# Altium PCB Inverter2beta.PcbDoc (part 4 of 5) (continued)
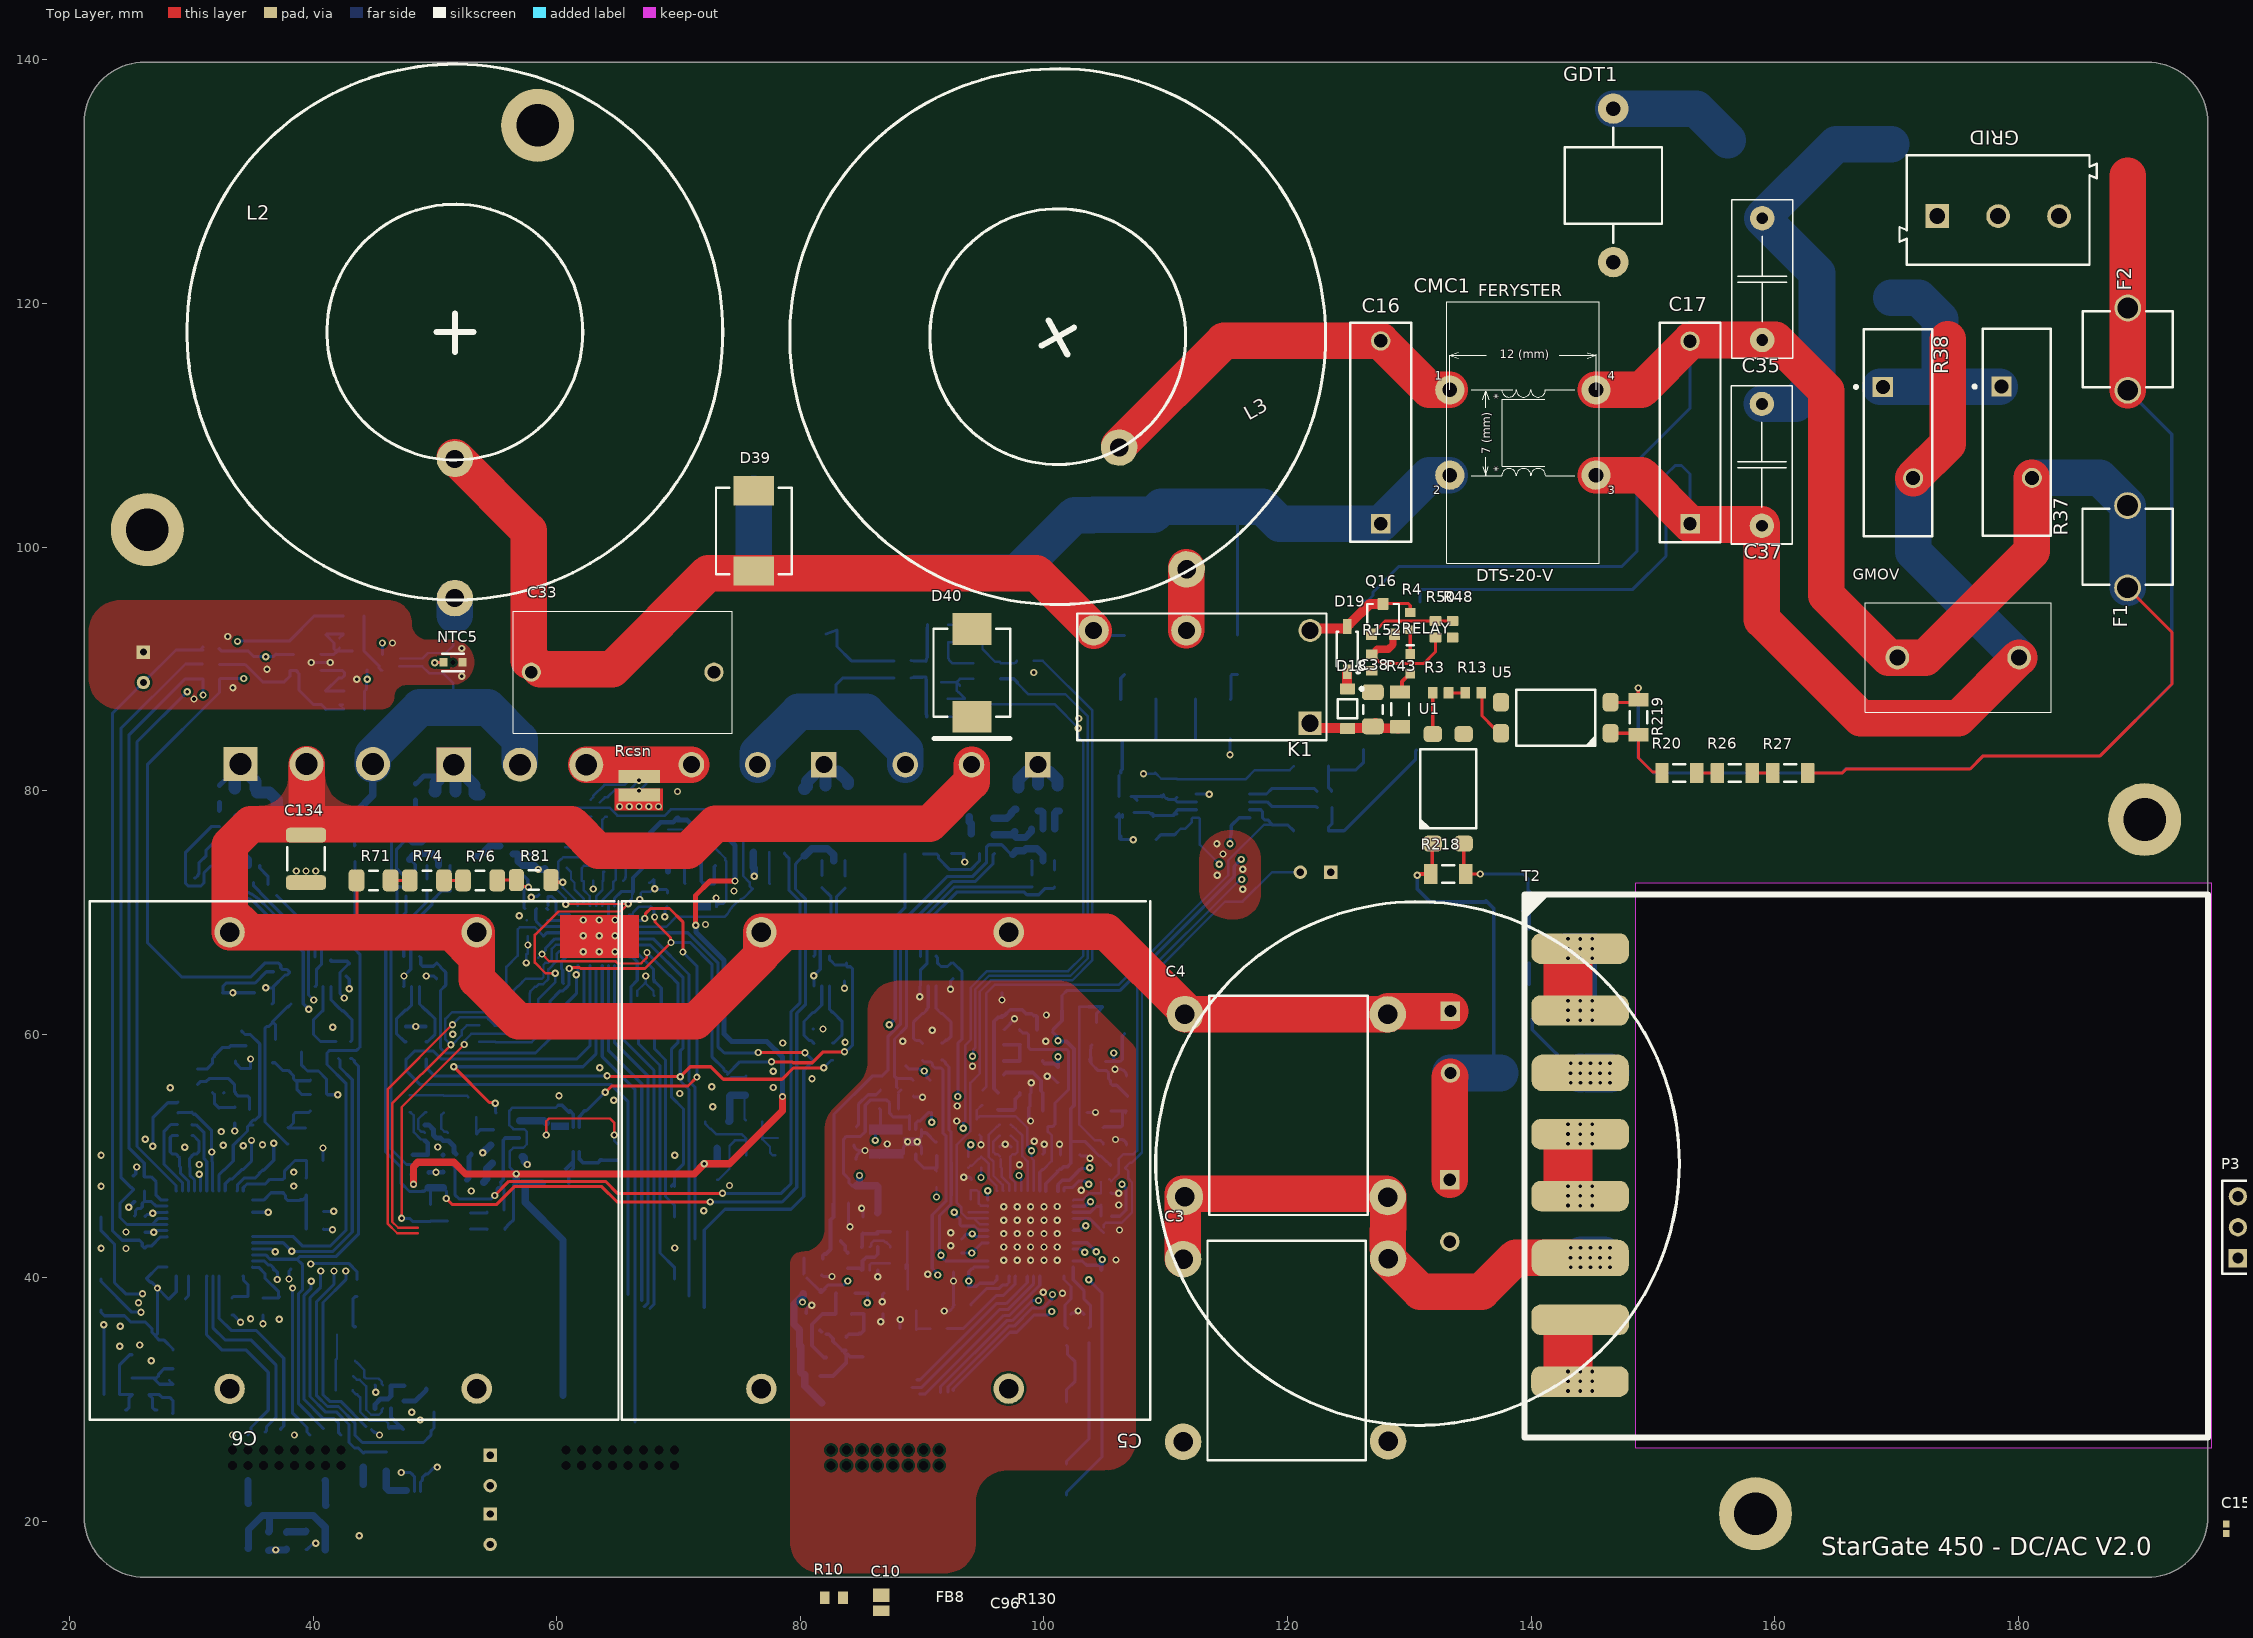
[diagram p0: Top Layer view]
## Nets (pads, with @x,y where several pads share a name; then routed paths per layer and width w, separated by ;. In a path a pad name is that pad's centre, name@x,y a point inside that pad or via, vN(x,y) a via of type N, cw(c..) or ccw(c..) an arc to the next point about the centre after c; other vN are vias at no path point) (continued)
NetQ1_3: Q1.3 R66.1 | length 2.3
  Bottom Layer w0.6: R66.1@39,76.55 Q1.3@41.251,76.55
NetQ4_2: Q4.2 R15.2 | length 3.6
  Bottom Layer w0.2: R15.2@43.425,33.175 43.575,33.025 44.2,32.4 44.2,31.842 44.317,31.725 45.368,31.725 45.625,31.468 45.625,31.275 Q4.2@45.725,31.175
NetQ4_5: Q4.5 R8.2 | length 5.2
  Bottom Layer w0.2: R8.2@43.275,31.925 43.575,31.625 43.8,31.625 44.343,31.082 44.343,29.164 44.76,28.747 45.39,28.747 45.625,28.982 45.625,29.175 Q4.5@45.725,29.275
NetQ5_1: Q5.1 R23.2 R30.2 | length 2.8
  Bottom Layer w0.254: Q5.1@43.451,35.975 43.361,35.975 43.25,36.086 R30.2@43.25,37.325 43.25,38.25 43.475,38.475 R23.2@43.575,38.475
NetQ5_3: Q5.3 R7.1 R8.1 R15.1 | length 4.6
  Bottom Layer w0.2: R7.1@41.85,30.775 41.85,32.025 41.85,33.275 41.948,33.373 Q5.3@41.948,35.325
NetQ7_3: Q7.3 R114.1
NetQ8_3: Q8.3 R106.1
NetQ9_2: Q9.2 R126.2 | length 2.1
  Bottom Layer w0.2: R126.2@50.7,53.55 50.522,53.372 50.522,52.235 50.757,52 50.95,52 Q9.2@51.05,51.9
NetQ9_5: Q9.5 R125.2 | length 2.3
  Bottom Layer w0.2: Q9.5@49.15,51.9 49.05,52 48.857,52 48.622,52.235 48.622,53.022 49.175,53.575 R125.2@49.275,53.575
NetQ10_1: Q10.1 R122.2 R127.2 | length 2.9
  Bottom Layer w0.2: Q10.1@53.375,53.199 53.375,51.875 R122.2@53.425,51.825
  Bottom Layer w0.254: R122.2@53.425,51.825 53.425,51.877 53.698,52.15 R127.2@54.8,52.15
NetQ10_3: Q10.3 R124.1 R125.1 R126.1 | length 4.9
  Bottom Layer w0.2: R124.1@47.925,54.975 R125.1@49.275,54.975 50.675,54.975 R126.1@50.7,54.95 52.616,54.95 52.725,54.841 Q10.3@52.725,54.801
NetQ11_1: Q11.1 R153.2 R154.2 | length 2.4
  Bottom Layer w0.254: Q11.1@56.676,76.1 57.95,76.1 R154.2@58,76.15 57.975,76.175 R153.2@57.975,77.2
NetQ11_3: Q11.3 R151.1 | length 2.2
  Bottom Layer w0.6: R151.1@53.425,74.625 53.675,74.625 54.5,75.45 Q11.3@55.074,75.45 Q11.3@55.3,75.45
NetQ12_1: Q12.1 R156.2 R157.2 | length 2.6
  Bottom Layer w0.2: Q12.1@77.45,74.949 77.45,72.375 R156.2@77.475,72.35
NetQ12_3: Q12.3 R155.1 | length 1.6
  Bottom Layer w0.6: R155.1@76.75,78.175 76.775,78.15 Q12.3@76.775,76.576
NetQ14_2: Q14.2 R135.2 | length 2.1
  Bottom Layer w0.2: Q14.2@85.7,40.625 85.7,41.058 85.817,41.175 R135.2@87.35,41.175
NetQ14_5: Q14.5 R134.2 | length 2.3
  Bottom Layer w0.2: Q14.5@85.7,42.525 85.8,42.625 85.8,42.818 86.004,43.022 ; 86.008,43.025 86.004,43.022 ; R134.2@87.375,42.5 87.375,42.6 87.075,42.9 86.975,42.9 86.822,43.053 86.035,43.053 86.004,43.022
NetQ15_1: Q15.1 R137.2 R173.2 | length 2.7
  Bottom Layer w0.2: R173.2@89.5,35.722 R173.2@89.5,35.875 ; Q15.1@89.525,37.274 R173.2@89.525,35.825 R137.2@90.65,35.825
NetQ15_3: Q15.3 R132.1 R134.1 R135.1 | length 5.2
  Bottom Layer w0.2: R135.1@88.629,40.754 88.629,41.054 88.701,41.126 R135.1@88.75,41.175 88.797,41.128 Q15.3@88.797,39.032 ; R135.1@88.775,41.2 R134.1@88.775,42.5 R132.1@88.775,43.775
NetQ16_1: Q16.1 R48.2 R50.2 | length 7.3
  Top Layer w0.254: Q16.1@126.775,92.7 Q16.1@126.9,92.825 126.9,92.85 127.223,93.173 127.248,93.173 128,93.925 R50.2@131.85,93.925 ; R50.2@131.875,93.9 R50.2@131.85,93.925 ; R48.2@133.55,93.925 R50.2@132.15,93.925 R50.2@131.85,93.925
NetQ19_3: Q19.3 R116.1
NetQ20_1: Q20.1 R143.2 R176.2 | length 6.2
  Bottom Layer w0.254: R143.2@90.1,74.8 90.102,74.803 91.178,74.803 91.348,74.632 91.348,74.427 92.261,73.514 93.989,73.514 94.709,74.234 Q20.1@94.709,74.849
NetQ20_3: Q20.3 R142.1 | length 1.5
  Bottom Layer w0.6: R142.1@93.875,77.844 93.875,77.425 94.025,77.275 Q20.3@94.025,76.451
NetR2_1: R2.1 R5.2 | length 1.7
  Bottom Layer w0.3: R2.1@139.825,64.125 R5.2@139.825,65.8
NetR3_1: R3.1 R9.2 U1.4 | length 3.4
  Top Layer w0.254: U1.4@131.925,84.652 R3.1@131.925,88.025
NetR4_2: R4.2 RELAY.1 | length 2
  Top Layer w0.3: RELAY.1@130.075,91.225 R4.2@130.075,93.225
NetR5_1: R5.1 R12.2 | length 1.8
  Bottom Layer w0.3: R12.2@139.325,70.125 R12.2@139.525,70.325 ; R5.1@139.825,68.65 R12.2@139.825,70.15
NetR12_1: R12.1 R218.2 U1.2 | length 8.8
  Top Layer w0.254: U1.2@134.465,75.1 134.465,73.31 R218.2@134.625,73.15 v1(135.825,73.15) v1@135.85,73.125
  Bottom Layer w0.254: v1(135.825,73.15) 139.35,73.15 139.74,72.76 139.74,71.86 ; 139.74,71.575 139.74,71.86 ; 139.925,71.675 139.74,71.86
  Bottom Layer w0.3: 139.825,71.575 139.85,71.6
NetR13_1: R13.1 R14.2 U5.4 | length 4.3
  Top Layer w0.254: R13.1@135.875,88.075 R13.1@136.125,88.075 ; R13.1@135.975,88 135.975,86.125 136.975,85.125 137.11,85.125 U5.4@137.525,84.71
NetR16_1: R16.1 U16.5 | length 1.8
  Bottom Layer w0.6: R16.1@99.525,78.325 99.775,78.325 R16.1@99.875,78.225 ; U16.5@99.925,76.85 R16.1@99.925,78.225
NetR17_1: R17.1 U7.5 | length 1.9
  Bottom Layer w0.6: R17.1@33.703,77.85 33.95,77.85 34.05,77.75 34.05,77.532 34.65,76.932 U7.5@34.65,76.45
NetR18_1: R18.1 U16.6 | length 1.8
  Bottom Layer w0.6: U16.6@100.875,76.85 100.875,78.137 101,78.263 101,78.325 R18.1@101.25,78.325
NetR19_1: R19.1 U7.6 | length 1.8
  Bottom Layer w0.6: R19.1@35.125,77.85 R19.1@35.35,77.85 ; R19.1@35.5,77.85 35.6,77.75 U7.6@35.6,76.345
NetR20_1: R20.1 R219.1 U5.1 | length 6.3
  Top Layer w0.254: U5.1@146.525,84.71 R219.1@148.44,84.71 ; R219.1@148.825,84.6 148.825,82.675 149.968,81.532 150.668,81.532 R20.1@150.75,81.45
NetR20_2: R20.2 R26.1 | length 1.7
  Top Layer w0.254: R20.2@153.6,81.45 R26.1@155.3,81.45
NetR22_1: R22.1 U6.4 | length 8.2
  Bottom Layer w0.254: R22.1@35.1,72.45 35.1,72.175 36.15,71.125 40.15,67.125 U6.4@40.15,66.35
NetR22_2: R22.2 U7.3 | length 1.4
  Bottom Layer w0.254: U7.3@33.7,73.85 33.85,73.7 R22.2@33.85,72.535
NetR26_2: R26.2 R27.1 | length 1.7
  Top Layer w0.254: R26.2@158.15,81.45 R27.1@159.85,81.45
NetR28_1: R28.1 R29.2
NetR29_1: R29.1 R39.2
NetR31_2: R31.2 U7.1 | length 1.8
  Bottom Layer w0.254: U7.1@35.6,73.85 35.6,73.65 36.271,72.979 36.271,72.559 36.296,72.534 36.296,72.325 R31.2@36.271,72.3
NetR45_1: R45.1 R46.2
NetR46_1: R46.1 R47.2
NetR52_1: R52.1 R56.2
NetR56_1: R56.1 R80.2
NetR71_1: R71.1 R74.2 | length 1.7
  Top Layer w0.254: R71.1@46.175,72.625 R74.2@47.875,72.625
NetR74_1: R74.1 R76.2 | length 1.9
  Top Layer w0.254: R74.1@50.275,72.625 52.125,72.625 R76.2@52.15,72.65
NetR82_1: R82.1 U23.46 | length 2
  Bottom Layer w0.254: R82.1@29.5,38.275 29.75,38.525 29.75,40.125
NetR90_1: R90.1 R91.2 | length 2.1
  Bottom Layer w0.254: R91.2@106.3,87.5 106.3,89.225 R90.1@106.6,89.525
NetR91_1: R91.1 R92.2 | length 3.3
  Bottom Layer w0.254: R92.2@109.175,84.25 109.187,84.262 109.187,87.488 R91.1@109.2,87.5
NetR94_1: R94.1 R96.2 | length 2.5
  Bottom Layer w0.254: R96.2@115.325,87.5 115.35,87.525 115.35,89.439 115.461,89.55 R94.1@115.875,89.55
NetR96_1: R96.1 R97.2 | length 3.2
  Bottom Layer w0.254: R97.2@112.425,84.25 R96.1@112.425,87.5
NetR105_1: R105.1 U12.4 | length 6.5
  Bottom Layer w0.254: U12.4@81.1,66.4 81.198,66.498 81.198,67.223 82.525,68.55 82.525,71.275 R105.1@81.775,72.025
NetR105_2: R105.2 U13.3 | length 1.2
  Bottom Layer w0.254: R105.2@81.775,73.025 U13.3@81.775,74.25
NetR108_2: R108.2 U13.1 | length 1.3
  Bottom Layer w0.254: R108.2@83.675,73 U13.1@83.675,74.25
NetR138_1: R138.1 U3.5 | length 1.8
  Bottom Layer w0.6: R138.1@49.8,77.85 49.9,77.75 50.225,77.75 50.225,77.425 50.275,77.375 U3.5@50.275,76.45
NetR140_1: R140.1 U15.4 | length 13.2
  Bottom Layer w0.254: U15.4@89.85,66.4 89.85,69.289 92.654,72.093 99.007,72.093 R140.1@99.025,72.075
NetR140_2: R140.2 U16.3 | length 1.2
  Bottom Layer w0.254: U16.3@98.975,74.25 99.025,74.2 R140.2@99.025,73.075
NetR141_2: R141.2 U16.1 | length 0.8
  Bottom Layer w0.254: 100.875,73.475 U16.1@100.875,74.25
NetR144_1: R144.1 U3.6 | length 1.4
  Bottom Layer w0.6: U3.6@51.225,76.45 51.225,77.775 R144.1@51.3,77.85
NetR147_1: R147.1 U11.4 | length 6.2
  Bottom Layer w0.254: U11.4@47.425,66.375 47.425,68.95 49.325,70.85 R147.1@49.325,71.75
NetR147_2: R147.2 U3.3 | length 1.1
  Bottom Layer w0.254: R147.2@49.325,72.75 U3.3@49.325,73.85
NetR148_1: R148.1 U13.5 | length 1.8
  Bottom Layer w0.6: R148.1@82.175,78.325 82.425,78.325 82.725,78.025 U13.5@82.725,76.85
NetR149_2: R149.2 U3.1 | length 1.1
  Bottom Layer w0.254: U3.1@51.225,73.85 51.238,73.838 51.238,72.763 R149.2@51.25,72.75
NetR150_1: R150.1 U13.6 | length 1.7
  Bottom Layer w0.6: U13.6@83.675,76.85 83.675,78.225 83.775,78.325 R150.1@83.925,78.325
NetR190_2: R190.2 U20.46 | length 4.5
  Bottom Layer w0.254: R190.2@94,37.75 94,37.825 95.275,39.1 96.284,39.1 96.579,39.395 96.909,39.395 97.127,39.614 97.127,40.102 U20.46@97.15,40.125
NetR201_1: R201.1 R207.1 U20.13 | length 4.8
  Bottom Layer w0.2: R207.1@93.775,49.025 93.95,49.2 94.082,49.2 94.632,49.75 94.675,49.75 R201.1@94.85,49.925 95.025,49.75 95.068,49.75 95.475,49.343 95.475,48.15 96.1,47.525 96.1,47.175 U20.13@96.15,47.125
NetR204_1: R204.1 R206.2 U22.3 U22.4 | length 11
  Bottom Layer w0.3: R206.2@96.225,55.2 95.9,55.525 95.9,61.05 96.225,61.375 U22.4@96.55,61.375 ; U22.4@96.55,61.525 96.75,61.525 97.225,62 98.2,62 98.525,61.675 99,61.675 U22.3@99.15,61.525 ; U22.3@99.325,61.525 99.425,61.425 R204.1@99.425,60.375
NetR213_1: R213.1 R215.2 U25.3 U25.4 | length 20.4
  TOP_RTN w0.6: v1(33.4,63.4) 32.675,62.675 32.675,55.025 33.55,54.15 v1(33.55,52.05)
  Bottom Layer w0.254: v1(33.55,52.05) R215.2@33.55,52.7 ; U25.4@35.15,63.4 v1(33.4,63.4) 32.75,63.4 U25.3@32.55,63.4 32.582,63.432 32.582,63.932 32.85,64.2 35.225,64.2 36.15,65.125 R213.1@36.725,65.125
NRST_3: C46.2 J2.5 U23.7 | length 8.7
  TOP_RTN w0.5: v1(22.575,47.51) 22.575,46.025 24,44.6 26.025,44.6 v1(26.9,43.725)
  Bottom Layer w0.254: C46.2@26.165,43.75 26.177,43.737 26.888,43.737 v1(26.9,43.725) 26.994,43.725 27.144,43.875 28,43.875
NRST_4: C77.2 IC1.4 J1.5 | length 34.4
  Top Layer w0.2: v1(58.775,66.575) 59.378,65.972 64.823,65.972 64.995,65.8 66.9,65.8 67.14,66.04 67.368,66.268 67.368,66.668 v1(67.408,66.708)
  Bottom Layer w0.2: C77.2@58.475,66.275 v1(58.775,66.575)
  Bottom Layer w0.254: v1(58.775,66.575) 59.073,66.873 59.073,67.067 59.831,67.825 IC1.4@61.025,67.825 ; v1(67.408,66.708) 67.408,66.692 69.295,64.805 69.326,64.805 69.937,64.194 69.937,59.287 69.4,58.75 69.4,54.85 70.4,53.85 70.4,49.375 70.38,49.355 70.38,49.329 69.675,48.624 69.675,47.722 J1.5@69.675,47.515 ; J1.5@69.4,47.515 J1.5@69.607,47.722
NRST_5: C72.2 J3.5 P4.5 U20.7 | length 37.8
  TOP_RTN w0.254: v1(92.622,45.375) 93.407,44.59 93.407,43.418 93.975,42.85 95.225,42.85 95.725,42.35 95.725,41.075 96.425,40.375 103.125,40.375 v1(103.675,39.825)
  Bottom Layer w0.254: v1(92.622,45.375) 92.622,45.281 93.101,44.802 93.101,44.364 C72.2@93.215,44.25 94.3,44.25 94.652,43.898 95.377,43.898 U20.7@95.4,43.875 ; J3.5@101.85,22.18 101.85,22.38 104.75,25.28 104.75,38.75 v1(103.675,39.825)
OPAMP3_IN+_5: C156.2 R201.2 U20.26 | length 17.9
  TOP_RTN w0.254: v1(94.825,48.228) 95.972,48.228 97.1,47.1 100.9,47.1 102.125,45.875 102.125,44.025 102.8,43.35 103.825,43.35 104.425,43.95 104.425,45.642 v1(103.817,46.25)
  Bottom Layer w0.2: v1(94.825,48.228) 94.838,48.24 94.838,49.013 R201.2@94.85,49.025
  Bottom Layer w0.3: U20.26@102.4,45.875 103.361,45.875 103.736,46.25 v1(103.817,46.25)
OV_HV_DCDC: IC1.25 | length 29.4
  Bottom Layer w0.254: IC1.25@65.225,65.625 65.225,59.775 67.975,57.025 67.975,37.811 67.645,37.48
RELAY_GRID: R48.1
RELAY_GRID_2: P3.2
RELAY_SENSE: Q16.2 R50.1 R152.2 | length 10.2
  Top Layer w0.254: R152.2@126.9,91.2 126.975,91.2 127.248,90.927 127.248,90.852 127.675,90.425 131.175,90.425 132.15,91.4 R50.1@132.15,92.575
  Top Layer w0.6: R152.2@126.9,91.2 126.975,91.2 127.375,91.6 128.275,91.6 128.664,91.989 128.664,92.689 Q16.2@128.8,92.825
SPI_MISO_BOTT: IC1.27 | length 28.6
  Bottom Layer w0.254: IC1.27@64.225,65.625 64.225,58.675 66.968,55.932 66.968,38.132
SPI_MISO_TOP_HF_MOS: CONN_TOP.11 U23.42 | length 16.6
  Bottom Layer w0.254: 31.75,40.125 31.75,35.9 32.75,34.9 34.875,34.9 36.925,32.85 36.925,28.525 36.153,27.753 36.153,27.428 CONN_TOP.11@36.05,27.325
SPI_MISO_TOP_LF_MOS: U20.42 | length 14.1
  Bottom Layer w0.254: 89.17,31 89.975,31 96.35,37.375 97.033,37.375 99.127,39.469 99.127,40.102 U20.42@99.15,40.125
SPI_MOSI_BOTT: IC1.28 | length 38.6
  Bottom Layer w0.254: IC1.28@63.725,65.625 63.725,58.15 66.4,55.475 66.4,28.175
SPI_MOSI_TOP_HF_MOS: CONN_TOP.13 U23.43 | length 17
  Bottom Layer w0.254: 31.25,40.125 31.227,40.102 31.227,35.323 32.475,34.075 34.45,34.075 36.3,32.225 36.3,29.125 34.883,27.708 34.883,27.328 CONN_TOP.13@34.64,27.085
SPI_MOSI_TOP_LF_MOS: U20.43 | length 12.9
  Bottom Layer w0.254: 89.57,31.625 89.825,31.625 96.075,37.875 96.888,37.875 98.627,39.614 98.627,40.102 U20.43@98.65,40.125
SPI_SCK_BOTT: IC1.26 | length 29.3
  Bottom Layer w0.254: IC1.26@64.725,65.625 64.725,59.325 67.5,56.55 67.5,37.946 67.177,37.623
SPI_SCK_TOP_HF_MOS: CONN_TOP.9 U23.41 | length 16.1
  Bottom Layer w0.254: 32.25,40.125 32.273,40.102 32.273,36.652 33.25,35.675 35.3,35.675 37.575,33.4 37.575,27.842 37.426,27.693 37.423,27.693 37.33,27.6 CONN_TOP.9@37.33,27.555
SPI_SCK_TOP_LF_MOS: U20.41 | length 14.3
  Bottom Layer w0.254: 89.775,30.45 90.25,30.45 96.707,36.907 97.175,36.907 99.65,39.382 U20.41@99.65,40.125
STATUS1_3: Q7.1 R117.2
STATUS1_4: Q8.1 R107.2
STATUS1_5: Q19.1 R119.2 U20.31
SWCLK_3: J2.2 R84.2 | length 14
  TOP_RTN w0.5: v1(25.85,37.175) 26.675,36.35 v1(34.025,36.35)
  Bottom Layer w0.254: J2.2@22.575,39.89 22.575,39.69 25.09,37.175 v1(25.85,37.175) ; R84.2@33.325,36.95 33.425,36.95 v1(34.025,36.35)
SWCLK_4: J1.2 R100.2 | length 21.8
  Bottom Layer w0.254: R100.2@66.6,60.35 66.7,60.35 66.7,59.2 68.475,57.425 68.475,42.025 69.675,40.825 J1.2@69.675,39.895
SWCLK_5: J3.2 P4.2 R111.2 | length 5.2
  Bottom Layer w0.254: J3.2@101.85,29.8 101.85,30.8 102.555,31.505 102.555,33.095 101.918,33.732 101.918,34.382 R111.2@101.85,34.45
SWDIO_3: J2.4 R109.2 | length 20.5
  TOP_RTN w0.5: v1(25.975,38.675) 26.95,37.7 34.975,37.7 35.856,36.819 35.856,36.244 v1(35.875,36.225)
  Bottom Layer w0.254: J2.4@22.575,44.97 22.575,43.861 23.675,42.761 23.675,39.6 24.6,38.675 v1(25.975,38.675) ; v1(35.875,36.225) R109.2@35.875,36.95
SWDIO_4: J1.4 R103.2 | length 16.1
  Bottom Layer w0.254: R103.2@68.025,60.375 68.025,58.775 68.925,57.875 68.925,46.675 69.675,45.925 J1.4@69.675,44.975
SWDIO_5: J3.4 P4.4 R112.2 | length 10.7
  Bottom Layer w0.254: J3.4@101.85,24.72 101.85,24.92 103.7,26.77 R112.2@103.7,34.682
TMON_ADC1_IN2_3: C31.2 R54.2
TMON_NTC1_4: C119.2 IC1.3 NTC2.2 R166.1 | length 36.3
  Top Layer w0.2: 48.6,43.65 46.891,43.65 46.097,44.444 46.097,55.463 51.413,60.779 v1(51.431,60.779)
  Bottom Layer w0.2: v1(51.431,60.779) 52.055,61.403 54.215,61.403 54.378,61.24 54.378,61.235 54.913,60.7 55.062,60.7 55.363,61 55.363,61.075 56.3,62.013 56.3,63.425 56.475,63.6 56.475,63.625 56.8,63.95 56.85,63.95 57.175,64.275 57.175,64.3 57.428,64.553 58.779,64.553 58.903,64.677 58.903,65.703 59.047,65.847 59.29,65.847 59.575,66.132 59.575,66.996 59.904,67.325 IC1.3@61.025,67.325
TMON_NTC2_4: C120.2 IC1.5 NTC3.2 R170.1 | length 41.1
  Top Layer w0.2: 48.6,44.1 46.975,44.1 46.475,44.6 46.475,54.3 v1(51.3,59.125)
  Bottom Layer w0.2: R170.1@53.625,60.725 52.6,60.725 52.189,60.314 52.189,59.92 51.393,59.125 v1(51.3,59.125) 50.853,59.572 50.853,61.253 51.4,61.8 55.05,61.8 55.85,62.6 55.85,65.518 56.772,66.44 56.772,68.59 56.96,68.778 58.197,68.778 58.9,68.075 C120.2@58.9,68.05
  Bottom Layer w0.254: C120.2@58.9,68.05 59.175,68.325 IC1.5@61.025,68.325
TMON_NTC_3: C28.2 NTC1.2 R41.1 U23.6 | length 57.9
  Bottom Layer w0.254: 28,43.375 27.977,43.352 27.452,43.352 26.69,42.59 26.33,42.59 C28.2@26.165,42.425 26.145,42.425 25.952,42.618 25.952,42.849 25.726,43.075 24.3,43.075 23.5,43.875 23.5,86.325 NTC1.2@26.05,88.875 28.725,91.55 30.827,91.55 R41.1@30.925,91.55 ; R41.1@30.827,91.65 30.925,91.748 R41.1@30.925,91.8
TMON_NTC_5: C127.2 NTC4.2 R186.1 U20.28 | length 42.4
  Bottom Layer w0.2: C127.2@104.64,43.925 C127.2@104.66,43.925 104.68,43.925 C127.2@104.9,43.705 ; C127.2@104.898,44.143 104.9,44.145 104.9,44.338 105.085,44.523 106.398,44.523 107.225,45.35 107.225,47.842 106.925,48.142 106.925,48.742 106.65,49.017 107.083,49.45 107.225,49.45 108.05,50.275 108.05,64.05 114.889,70.889 116.314,70.889 118.725,73.3 NTC4.2@121.05,73.3
  Bottom Layer w0.254: U20.28@102.4,44.875 103.71,44.875 104.447,44.138 104.447,44.118 C127.2@104.64,43.925
TMON_SHUNT_NTC_3: C29.2 NTC5.2 R42.1 U23.12 | length 70.5
  Top Layer w0.25: v1(49.975,90.5) 49.987,90.512 50.687,90.512 NTC5.2@50.7,90.525
  TOP_RTN w0.6: v1(30.95,87.85) 31.325,87.475 44.275,87.475 47.3,90.5 v1(49.975,90.5)
  Bottom Layer w0.254: C29.2@26.115,48.3 26.127,48.288 26.687,48.288 27.1,47.875 27.1,46.775 27.477,46.398 27.977,46.398 28,46.375 ; C29.2@26.115,48.375 26.115,49.41 24.85,50.675 24.85,84.55 29.45,89.15 R42.1@30.95,89.15 v1(30.95,87.85) ; v1(49.975,90.5) v1@49.987,90.512
TOP_HF_GND: C7.1 C9.1 C11.1 C12.1 C13.2 C14.2 C15.2 C20.1 C22.1 C23.1 C24.1 C26.1 C27.1 C28.1 C29.1 C31.1 C34.2 C40.1 C44.2 C46.1 C63.1 C64.1 C69.1 C70.1 C71.1 C100.1 C101.1 C131.1 C139.1 C140.1 C157.1 C165.1 C166.2 C167.2 C169.1 C170.1 C171.1 C172.1 C173.1 C174.1 CONN_TOP.2 CONN_TOP.6 CONN_TOP.7 CONN_TOP.8 CONN_TOP.10 CONN_TOP.12 CONN_TOP.15 CONN_TOP.16 D1.2 D21.2 D23.2 IC2.4 IC2.5 IC2.8 IC2.9 J2.3 J2.6 NTC1.1 NTC5.1 Q1.2 Q4.1 Q5.2 Q7.2 Q24.3 Q25.2 R1.1 R24.1 R25.1 R30.1 R31.1 R33.1 R36.1 R59.1 R62.2 R63.1 R65.1 R78.1 R82.2 R117.1 R120.1 R208.1 R212.2 U4.5 U6.3 U8.2 U9.5 U23.49 U24.2 U25.5 | length 45.9
  Bottom Layer w0.2: R63.1@47.075,90.2 48.95,90.2 49.5,89.65 50.65,89.65 51.5,88.8 R78.1@51.5,87.575
  Bottom Layer w0.254: U24.2@32.638,55.162 U24.2@32.675,55.2 ; R31.1@36.979,71.396 40.68,67.695 40.68,66.452 40.684,66.249 cw(c39.657,66.23) 40.681,66.153 40.68,66.141 40.68,65.728 40.248,65.296 40.248,63.998 U6.3@40.15,63.9 ; v1(37.999,39.9) 37.999,40.549 C167.2@38.15,40.7 ; R1.1@39.4,17.7 39.5,17.7 39.934,18.134 40.131,18.134 v1(40.197,18.2) ; v1(39.825,90.525) v1(41.4,90.525) ; Q4.1@45.075,31.175 45.099,31.151 45.099,30.626 v1(45.123,30.602)
  Bottom Layer w0.3: v1(24.85,45.775) 24.85,45.785 25.315,46.25 C40.1@25.335,46.25 ; C29.1@25.235,48.375 25.255,48.375 25.425,48.545 25.425,48.928 25.505,49.008 v1(25.505,49.089) ; C140.1@42.697,64.753 C140.1@42.95,64.5 v1(42.95,63.725)
  Bottom Layer w0.6: Q1.2@41.975,78.226 41.975,78.182 42.057,78.1 R36.1@43.375,78.1 43.45,78.1 43.55,78.2 43.55,78.275 44.89,79.615 Q24.3@44.89,82.175
  Bottom Layer w3: Q24.3@44.89,82.175 44.89,82.957 48.758,86.825 54.342,86.825 56.95,84.217 Q25.2@56.95,82.325
  other v1: 33.37,27.085 38.45,27.085 48.775,28.325 48.075,28.95 26.7,33.175 24.1,34.375 25.75,34.475 24.15,36.025 37.2,36.6 34.85,36.625 25.65,37.95 24.625,42.398 22.575,42.43 24.625,43.75 38.4,47.525 38.4,48.675 30.625,49.3 22.575,50.05 29.45,50.725 34.25,50.825 32.6,50.875 35.825,50.925 26.2,51.375 32.45,52 28.25,55.6 41.6,60.575 2.025,78.5 3.125,78.5 4.225,78.5 5.325,78.5 6.425,78.5 2.025,79.6 3.125,79.6 4.225,79.6 5.325,79.6 6.425,79.6 2.025,80.7 3.125,80.7 4.225,80.7 5.325,80.7 6.425,80.7 2.025,81.8 3.125,81.8 4.225,81.8 5.325,81.8 6.425,81.8 2.025,82.9 3.125,82.9 4.225,82.9 5.325,82.9 6.425,82.925 30.2,87.525 33.4,88.45 43.575,89.15 52.2,89.4 36.203,89.975 52.2,91.675 46.5,92.125 32.975,92.65
TOP_HF_TWO_LEVEL_TIM1_CH2_3: R67.1 U23.31 | length 42.1
  Bottom Layer w0.254: 35,43.375 38.353,43.375 39.133,42.595 41.37,42.595 42.7,43.925 42.7,55.925 41.12,57.505 41.12,58.456 41.339,58.675 43.561,58.675 43.83,58.944 43.83,58.955 43.85,58.975 43.85,66.525 43.425,66.95 R67.1@43.425,74.175
TOP_HF_TWO_LEVEL_TIM1_CH2N: CONN_TOP.3 R34.1 U23.34 | length 39.6
  Bottom Layer w0.254: 35,41.875 36.086,41.875 36.44,41.52 38.661,41.52 ; CONN_TOP.3@40.849,27.603 40.837,27.603 40.747,27.693 40.747,27.706 38.8,29.653 38.8,38.711 39.125,39.036 39.125,41.056 38.661,41.52 ; R34.1@43.075,58 43.175,58 43.398,57.777 43.398,57.677 43.725,57.35 43.725,43.6 41.857,41.732 38.872,41.732 38.661,41.52
TOP_HF_V_3V3A: C69.2 C139.2 C171.2 C172.2 FB2.1 R41.2 R42.2 R213.2 U8.5 U23.21 U24.5 | length 73.4
  TOP_RTN w0.6: v1(34.3,89.2) v1(36.1,91) ; v1(34.925,51.275) 34.85,51.35 v1(34.85,57.964) 34.85,62.55 v1(36.099,63.8)
  Bottom Layer w0.254: R41.2@32.275,91.65 32.475,91.45 34.675,91.45 35.125,91 v1(36.1,91) 36.725,91 C139.2@36.925,91.2 36.95,91.175 U8.5@38.375,91.175 ; 32.75,47.125 32.773,47.148 32.773,47.718 33.175,48.12 33.37,48.12 34.125,48.875 C69.2@34.175,48.875 34.225,48.875 34.925,49.575 v1(34.925,51.275) ; U24.5@33.625,57.8 33.625,57.6 34.044,57.181 34.844,57.181 C171.2@34.85,57.175 v1(34.85,57.964) v1@34.845,57.97 ; v1(34.3,89.2) 32.35,89.2 R42.2@32.3,89.15 32.3,88.05 26.375,82.125 26.375,67.525 29.2,64.7 34.875,64.7 36.005,65.83 37.151,65.83 37.33,65.651 37.33,65.447 37.479,65.298 37.852,65.298 R213.2@38.025,65.125 38.025,65.025 37.852,64.852 37.677,64.852 36.725,63.9 C172.2@36.725,63.85 ; v1@36.149,63.8 36.675,63.8 C172.2@36.725,63.85 ; FB2.1@36.625,62.475 36.725,62.575 C172.2@36.725,63.85
TOP_HF_V_3V3D: C44.1 C64.2 C100.2 C140.2 C166.1 C167.1 FB13.1 J2.1 LED2.2 U6.5 U23.1 U23.23 U23.35 U23.48 | length 72.1
  TOP_RTN w0.6: v1(27.2,39.15) 30.875,39.15 32,40.275 36.625,40.275 ; v1(37.05,39.85) 36.625,40.275 ; v1(42.55,62.975) 41.85,62.975 41.125,63.7 38.875,63.7 38.025,62.85 38.025,52.325 v1(36.75,51.05) 36.75,49.575 35.175,48 35.175,41.725 36.625,40.275
  Bottom Layer w0.254: J2.1@22.575,37.35 22.575,37.15 22.848,36.877 24.498,36.877 25.025,36.35 26.225,36.35 26.752,35.823 26.752,35.523 C100.2@27.05,35.225 27.2,35.375 v1(27.2,39.15) ; C44.1@26.325,39.975 C44.1@26.325,39.95 ; C100.2@27.05,35.175 27.348,34.877 27.748,34.877 28.475,34.15 FB13.1@28.475,34.075 ; 28,40.875 27.25,40.875 C44.1@26.325,39.95 ; 28.75,40.125 28.75,38.85 28.175,38.275 C166.1@28.125,38.275 28.075,38.275 v1(27.2,39.15) ; 33.75,47.125 33.773,47.148 33.773,47.636 34.332,48.195 35.245,48.195 35.527,48.477 35.527,48.527 35.825,48.825 C64.2@35.875,48.825 35.925,48.825 36.75,49.65 v1(36.75,51.05) ; 35,41.375 35.975,41.375 36.302,41.048 36.502,41.048 36.725,40.825 C167.1@36.725,40.625 ; C167.1@36.8,40.7 37.05,40.45 v1(37.05,39.85) ; v1(42.55,62.975) 42.195,63.33 42.195,65.07 42.925,65.8 C140.2@42.95,65.8 ; C44.1@26.325,39.95 26.325,39.925 26.623,39.627 26.723,39.627 v1(27.2,39.15)
  Bottom Layer w0.3: U6.5@41.45,66.05 41.525,65.975 42.775,65.975 C140.2@42.95,65.8
TOP_HF_V_3VN: C13.1 C14.1 C15.1 C24.2 C62.1 D1.1 D15.1 R55.2 U7.2 | length 77.9
  TOP_RTN w0.6: v1(40.025,62.8) 40.7,62.125 40.7,52.175 41.8,51.075 41.8,49.125 40.803,48.128 40.803,44.722 v1(41.575,43.95) 41.7,43.825 v1(41.7,40.55)
  Bottom Layer w0.254: 31.619,77.04 29.52,74.941 29.52,72.369 29.719,72.17 30.781,72.17 31.032,72.421 31.032,73.242 31.591,73.802 31.777,73.802 C62.1@32.25,74.275 32.322,74.253 32.324,74.253 32.385,74.234 32.429,74.19 32.499,74.12 ccw(c35.264,74.194) 33.604,71.981 ccw(c33.755,72.186) 33.712,71.936 cw(c33.125,68.375) 34.719,71.613 ccw(c34.829,71.842) 34.722,71.611 cw(c33.453,68.876) 35.099,71.403 cw(c33.129,68.379) 35.795,70.811 cw(c28.039,59.586) 35.942,70.708 35.957,70.693 39.607,67.043 39.607,63.218 v1(40.025,62.8) ; 31.694,77.04 D15.1@32.275,77.04 ; R55.2@40.825,44 40.875,43.95 v1(41.575,43.95) ; v1(41.7,40.55) 41.7,39.475 40.275,38.05 40.275,30.307 41.162,29.42 42.072,29.42 43.411,28.081 43.411,27.089 44.025,26.475 49.05,26.475 49.652,27.077 49.652,27.402 49.912,27.662 49.912,28.962 D1.1@49.925,28.975
  Bottom Layer w0.6: C62.1@32.25,74.275 32.803,74.828 34.154,74.828 34.65,74.332 U7.2@34.65,73.85
TOP_HF_V_5VP: C12.2 C22.2 C70.2 C133.2 C157.2 FB9.2 FB15.2 IC2.2 L1.1 Q2.3 Q6.3 R6.2 R57.2 R113.2 | length 108.9
  TOP_RTN w0.6: v1@22.8,36.152 22.8,21.325 26.8,17.325 36.6,17.325 v1(36.925,17.65) ; v1(42,55.025) 42,52.225 42.725,51.5 42.725,48.45 41.675,47.4 v1(41.675,45.45) 42.675,44.45 v1(42.675,40.55) ; v1(45.432,27.08) 45.432,25.332 41.825,21.725 37.975,21.725 36.925,20.675 v1(36.925,17.65) ; v1(47.228,24.004) 47.228,22.278 v1(43.775,18.825) 42.125,18.825 41.3,19.65 38.925,19.65 v1(36.925,17.65)
  Bottom Layer w0.254: R6.2@22.8,30.4 22.8,32.7 Q6.3@22.825,32.725 22.8,32.75 C12.2@22.8,35.225 v1(22.8,36.15) ; Q2.3@39.022,58.528 39.022,57.478 39.525,56.975 40.425,56.975 41.075,56.325 R113.2@41.075,56.225 41.075,55.125 C70.2@41.175,55.025 v1(42,55.025) v1@42.025,55 ; R57.2@40.825,45.45 v1(41.675,45.45) ; v1(42.675,40.55) 42.675,39.839 40.8,37.964 40.8,30.393 41.341,29.852 42.25,29.852 44.333,27.769 ; FB9.2@44.775,27.525 44.998,27.302 45.116,27.302 45.338,27.08 v1(45.432,27.08) ; v1(47.228,24.004) 47.971,24.004 C157.2@48.075,23.9 48.3,23.675 IC2.2@48.3,22.45
  Bottom Layer w0.6: FB15.2@36.35,17.6 36.4,17.65 v1(36.925,17.65) 37.75,17.65 C133.2@37.8,17.7
TOP_HF_V_16VP: C7.2 C9.2 C11.2 C159.2 FB17.2 FB18.2 R32.1 | length 58.3
  TOP_RTN w0.6: v1(39.625,62.05) 39.625,51.825 v1(40.8,50.65) 40.8,49.5 39.725,48.425 39.725,43.875 40.6,43 v1(40.6,40.55)
  Bottom Layer w0.254: FB17.2@31.8,72.825 31.875,72.825 33.157,71.543 33.361,71.543 cw(c33.125,68.375) 35.433,70.558 ; 35.434,70.557 35.451,70.539 39.175,66.775 39.175,62.5 v1(39.625,62.05) ; v1(40.6,40.55) 40.6,39.225 39.725,38.35 39.725,30.246 40.983,28.988 41.893,28.988 42.935,27.946 42.935,26.465 43.377,26.023 43.702,26.023 C159.2@44.125,25.6 44.2,25.675 FB18.2@46,25.675 ; R32.1@40.8,49.625 v1(40.8,50.65)
TOP_HF_VREF: C169.2 R211.1 R214.1 U23.20 | length 15.6
  Bottom Layer w0.254: 32.25,47.125 32.25,48.45 32.65,48.85 C169.2@32.675,48.85 32.7,48.85 33.43,49.58 33.43,50.88 34.593,52.043 34.593,52.402 34.716,52.525 R214.1@35.025,52.525 ; R211.1@34.125,60.25 34.398,59.977 34.823,59.977 35.6,59.2 35.6,53.314 35.234,52.948 35.073,52.948 R214.1@34.8,52.675